# KiCad board cpu-blitter-inputs.kicad_pcb (continued)
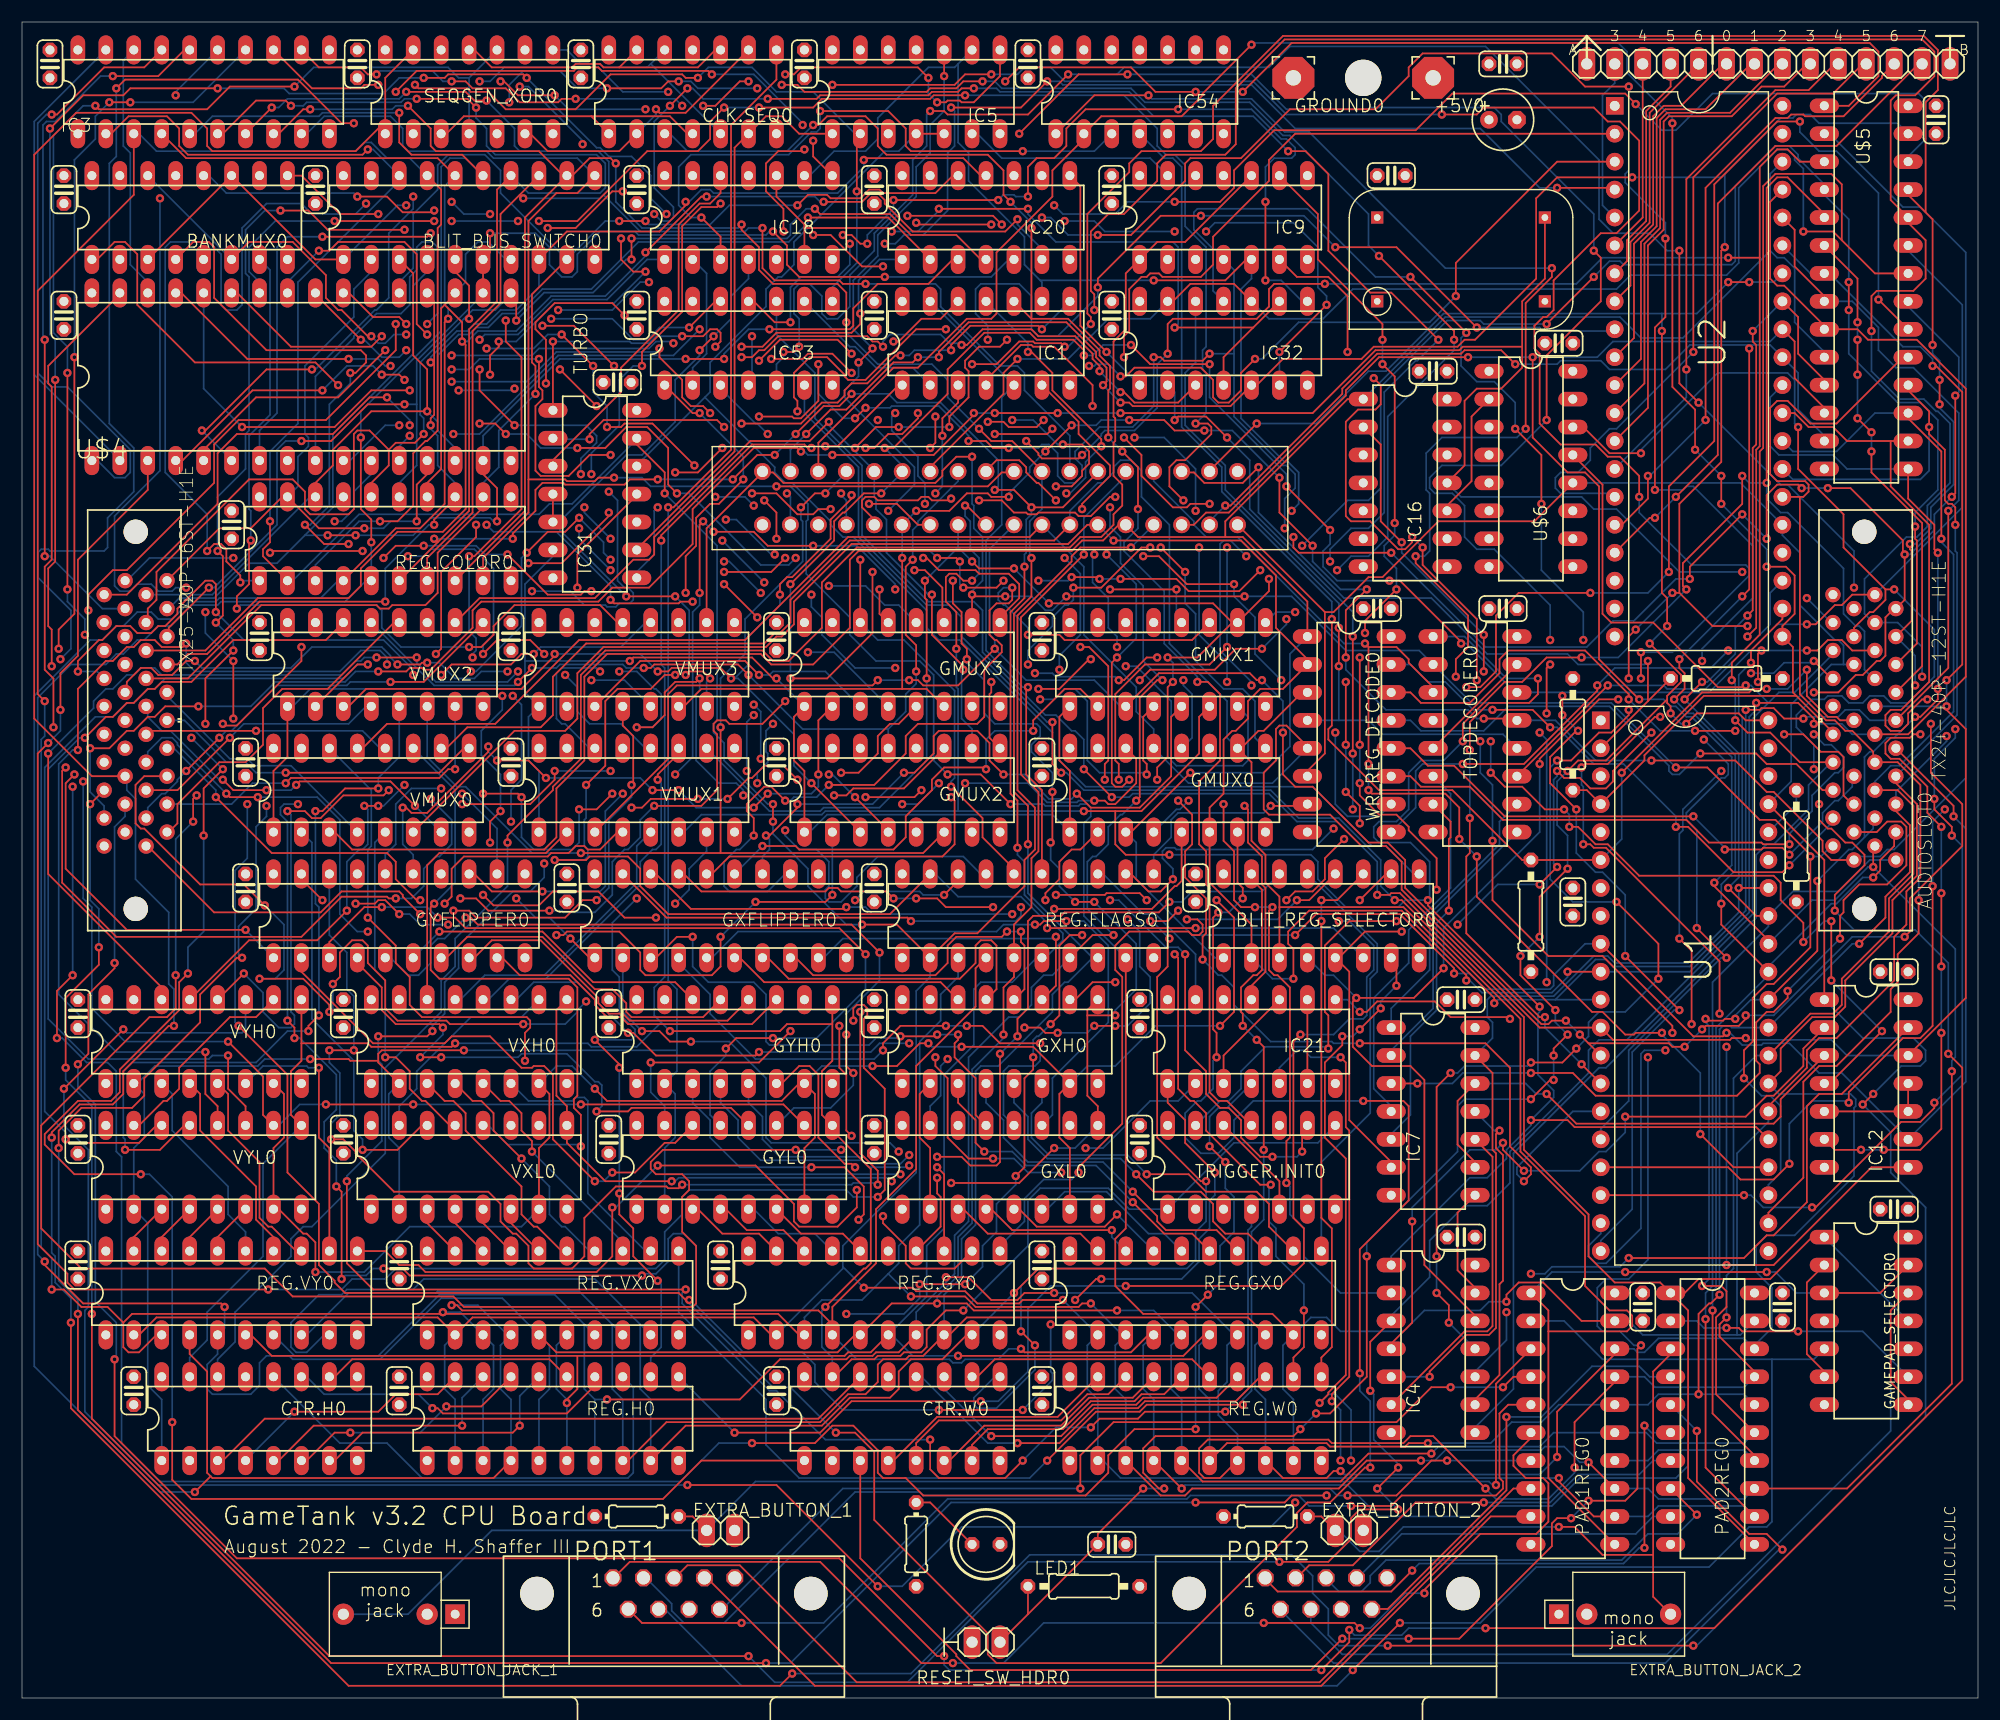
[diagram p0: board, top side]
## Routing (per net, layer and track width the routed paths; a pad name or vN(x,y) marks a point on that pad's centre or on a via; arc(x,y) is an arc through that point) (continued)
N$182: length 69.5
  Top w0.152: v1(70.48,83.5) 69.22,84.77 67.47,84.77 66.36,83.66 66.04,83.66 v1(64.13,81.76) ; v1(50.64,80.8) 52.23,80.8 v1(53.66,82.23) ; v1(73.82,82.07) 74.93,82.07 75.56,82.71 80.17,82.71 GMUX2.11 ; v1(55.4,80.96) 56.36,80.96 57.15,81.76 v1(61.44,81.76) ; v1(45.4,81.91) 45.08,82.23 v1(41.91,82.23)
  In1.Cu w0.152: v1(70.48,83.5) 71.91,82.07 v1(73.82,82.07) ; v1(55.4,80.96) 54.93,80.96 v1(53.66,82.23) ; GYFLIPPER0.17 36.19,80.64 40.32,80.64 v1(41.91,82.23)
  Bottom w0.152: v1(50.64,80.8) 50.64,77.79 50.01,77.15 46.51,77.15 45.4,78.26 v1(45.4,81.91) ; v1(64.13,81.76) v1(61.44,81.76)
N$183: length 53.9
  Top w0.152: v1(48.42,84.3) 48.42,83.5 46.2,81.28 v1(40,81.28)
  In1.Cu w0.152: v1(40,81.28) 38.58,82.71 v1(38.1,82.71)
  In2.Cu w0.152: GMUX2.14 74.77,87.79 68.58,87.79 65.88,85.09 57.94,85.09 57.15,84.3 v1(53.5,84.3)
  Bottom w0.152: v1(53.5,84.3) v1(48.42,84.3) ; v1(38.1,82.71) 35.4,82.71 33.97,81.28 33.97,77.63 33.02,76.68 GYFLIPPER0.16
N$184: length 58.4
  Top w0.152: v1(47.62,83.66) 46.04,85.25 v1(43.18,85.25) ; v1(67.79,82.23) v1(66.52,80.96) ; v1(42.39,86.52) 42.39,86.04 36.83,80.49 35.4,80.49 34.92,80.96 v1(34.61,80.96) ; GMUX3.2 72.39,88.9 v1(72.39,83.98) ; v1(59.69,82.55) v1(57.31,82.55)
  Bottom w0.152: GYFLIPPER0.15 35.56,76.68 34.61,77.63 v1(34.61,80.96) ; v1(66.52,80.96) 61.28,80.96 v1(59.69,82.55) ; v1(43.18,85.25) 42.39,86.04 v1(42.39,86.52) ; v1(47.62,83.66) 56.2,83.66 v1(57.31,82.55) ; v1(67.79,82.23) 71.75,82.23 72.39,82.87 v1(72.39,83.98)
N$185: length 66.8
  Top w0.152: GMUX3.5 79.69,88.58 78.9,88.58 77.79,87.47 77.79,85.88 76.04,84.14 v1(74.45,84.14) ; v1(47.94,71.6) 42.39,71.6 41.27,72.71 v1(39.85,72.71) ; v1(57.47,81.12) 61.75,81.12 63.18,82.55 63.18,87.63 62.86,87.95 62.86,88.58 63.18,88.9 63.98,88.9 64.29,88.58 67.31,88.58 v1(69.37,90.65)
  In1.Cu w0.152: GYFLIPPER0.14 38.1,74.45 v1(39.85,72.71) ; v1(74.45,84.14) 72.71,85.88 72.71,86.36 69.37,89.69 v1(69.37,90.65)
  Bottom w0.152: v1(57.47,81.12) 56.2,79.85 56.2,78.26 55.09,77.15 54.77,77.15 53.66,76.04 53.66,73.02 52.07,71.44 49.21,71.44 49.05,71.6 v1(47.94,71.6)
N$186: length 81.2
  Top w0.152: v1(61.91,107) 61.59,106.68 v1(61.59,100.49) ; v1(47.31,73.34) 42.7,73.34 41.12,74.93 GYFLIPPER0.13 ; v1(81.12,102.55) 82.07,102.55 83.66,100.96 83.66,97.95 GMUX3.11 ; v1(71.91,104.77) 67.79,104.77 66.52,106.04 v1(62.86,106.04)
  In1.Cu w0.152: v1(81.12,102.55) v1(79.38,100.81)
  In2.Cu w0.152: v1(54.61,82.23) 55.56,82.23 57.47,84.14 59.21,84.14 v1(59.37,83.98)
  Bottom w0.152: v1(71.91,104.77) 75.88,104.77 79.38,101.28 v1(79.38,100.81) ; v1(59.37,83.98) 60.96,85.57 60.96,98.74 61.59,99.38 v1(61.59,100.49) ; v1(54.61,82.23) 53.02,80.64 53.02,73.82 52.55,73.34 v1(47.31,73.34) ; v1(62.86,106.04) v1(61.91,107)
N$222: length 55.2
  Top w0.152: v1(33.97,146.05) 35.88,147.95 50.16,147.95 50.48,148.27 52.39,148.27 52.7,147.95 62.39,147.95 v1(62.71,147.64) ; v1(71.91,141.6) 71.91,140.18 IC18.8
  In1.Cu w0.152: v1(71.91,141.6) 70.96,142.56 v1(70.96,143.03) ; BLIT_BUS_SWITCH0.19 31.75,139.54 30.8,140.49 30.8,142.88 v1(33.97,146.05)
  Bottom w0.152: v1(70.96,143.03) 70.96,143.19 66.52,147.64 v1(62.71,147.64)
OFFSCR_X: length 78
  Top w0.152: v1(83.03,58.26) 83.03,57.47 84.14,56.36 84.14,50.96 86.04,49.05 v1(88.26,49.05) ; v1(66.99,58.74) 66.67,58.42 57.63,58.42 55.56,60.48 v1(55.09,60.48)
  In1.Cu w0.152: v1(83.03,58.26) 82.71,58.26 81.44,59.53 v1(80.65,59.53)
  In2.Cu w0.152: v1(96.68,50.01) v1(94.46,47.78)
  Bottom w0.152: v1(55.09,60.48) 50.48,65.09 46.51,65.09 44.93,63.5 VXH0.11 ; v1(96.68,50.01) 98.27,50.01 102.55,54.29 105.09,54.29 IC21.2 ; v1(94.46,47.78) 91.44,47.78 90.17,49.05 v1(88.26,49.05) ; v1(80.65,59.53) 77.95,59.53 77.15,58.74 v1(66.99,58.74)
OFFSCR_Y: length 223.5
  Top w0.152: v1(3.81,55.4) v1(9.21,60.8) ; v1(119.86,58.26) 120.33,57.78 120.33,51.91 120.65,51.59 120.65,29.21 119.06,27.62 v1(119.06,26.99) ; v1(60.48,19.37) 68.58,19.37 v1(77.79,10.16)
  In2.Cu w0.152: v1(119.86,21.59) 116.05,17.78 v1(115.73,17.78)
  Bottom w0.152: v1(77.79,10.16) 80.01,10.16 85.41,15.56 113.51,15.56 v1(115.73,17.78) ; v1(119.86,21.59) 119.86,26.19 v1(119.06,26.99) ; IC21.5 114.3,57.31 115.89,58.9 116.52,58.9 117.16,58.26 v1(119.86,58.26) ; v1(60.48,19.37) 12.38,19.37 5.72,26.03 5.72,35.24 6.03,35.56 6.03,49.85 3.81,52.07 v1(3.81,55.4) ; VYH0.11 20.32,60.8 20,60.48 9.52,60.48 v1(9.21,60.8)
P0: length 244.6
  Top w0.152: v1(16.67,88.58) 16.67,92.71 v1(19.21,95.25) ; v1(18.26,84.45) 16.51,82.71 v1(16.51,78.42) ; v1(17.78,104.3) 18.26,103.82 18.26,98.42 v1(17.62,97.79) ; v1(34.77,133.51) 27.78,133.51 26.03,135.25 v1(23.5,135.25) ; v1(13.65,25.08) 13.65,19.84 15.4,18.1 58.26,18.1 61.75,21.59 CTR.W0.1 ; v1(10.8,47.62) 4.76,47.62 2.06,50.32 2.06,51.28 5.08,54.29 8.1,54.29 8.89,55.09 8.89,57.15 14.29,62.55 14.29,65.09 v1(15.08,65.88)
  In1.Cu w0.152: v1(16.67,88.58) v1(15.4,87.31) ; CLK.SEQ0.11 56.83,145.73 53.02,145.73 44.45,137.16 38.42,137.16 v1(34.77,133.51)
  Bottom w0.152: v1(23.5,135.25) 22.07,135.25 20.32,133.51 20.32,129.54 20.64,129.22 20.64,115.25 20.32,114.93 20.32,111.76 17.78,109.22 v1(17.78,104.3) ; v1(16.51,78.42) 16.51,69.69 15.08,68.26 v1(15.08,65.88) ; v1(17.62,97.79) 19.21,96.2 v1(19.21,95.25) ; v1(15.4,87.31) v1(18.26,84.45) ; v1(10.8,47.62) 11.59,47.62 13.65,45.56 v1(13.65,25.08)
P1: length 251.5
  Top w0.152: v1(58.74,108.27) 59.21,108.27 64.45,113.51 64.45,143.03 68.58,147.16 CLK.SEQ0.8 ; 32.38,57.94 32.38,57.78 VXH0.2 ; 32.38,57.94 32.38,58.58 32.7,58.9 v1(40.16,58.9) ; 32.38,57.94 29.84,57.94 29.69,58.1 v1(26.19,58.1) ; GXH0.2 81.6,54.93 81.6,50.96 82.55,50.01 GXL0.2
  In2.Cu w0.152: v1(79.85,47.62) 82.55,44.93 GXL0.2
  Bottom w0.152: 59.53,58.9 v1(40.16,58.9) ; 59.53,58.9 59.53,56.99 GYH0.2 59.37,54.93 59.37,50.96 58.42,50.01 58.42,47.62 ; 59.53,58.9 59.53,64.45 58.74,65.25 v1(58.74,108.27) ; 58.42,47.62 v1(79.85,47.62) ; 58.42,47.62 GYL0.2 ; VXH0.2 33.34,54.93 33.34,50.96 34.29,50.01 VXL0.2 ; CTR.H0.1 12.7,27.15 11.43,28.42 11.43,43.18 VYL0.2 10.16,50.01 11.11,50.96 11.11,54.93 10.32,55.72 ; v1(26.19,58.1) 22.07,58.1 21.43,57.47 12.06,57.47 10.32,55.72 ; 10.32,55.72 VYH0.2
P2: length 51
  Top w0.152: IC5.1 70.64,142.24 69.06,143.83 67.63,143.83 CLK.SEQ0.6 64.77,140.97 64.77,113.35 55.88,104.46 IC31.9
P3: length 139.9
  Top w0.152: v1(101.44,108.11) 101.44,111.92 v1(100.01,113.35) ; 91.76,125.41 95.09,125.41 97.95,122.55 97.95,122.08 98.9,121.13 98.9,119.06 98.74,118.9 v1(98.74,114.62) ; 91.76,125.41 IC1.10 ; 91.76,125.41 v1(91.76,133.67) ; v1(71.91,143.03) 72.39,143.03 73.18,143.83 76.68,143.83 77.79,142.72 77.79,141.13 78.58,140.33 87.79,140.33 89.22,138.91 89.22,136.68 v1(89.85,136.05) ; TRIGGER.INIT0.11 109.54,54.29 108.74,54.29 107.95,55.09 107.95,73.66 107.63,73.98 107.63,76.99 107,77.63 107,83.34 108.9,85.25 108.9,91.28 107.79,92.39 v1(106.84,92.39)
  Bottom w0.152: v1(91.76,133.67) 91.76,134.14 v1(89.85,136.05) ; v1(101.44,108.11) 101.44,106.36 100.17,105.09 100.17,104.3 103.82,100.65 103.82,95.88 106.84,92.87 v1(106.84,92.39) ; v1(98.74,114.62) v1(100.01,113.35) ; CLK.SEQ0.3 58.9,142.24 60.48,140.65 69.53,140.65 v1(71.91,143.03)
R/~{W}: length 102
  Top w0.152: IC7.13 133.67,56.83 133.67,49.85 133.98,49.53 133.98,33.66 133.35,33.02 131.29,33.02 127.95,29.69 v1(127.95,29.21) ; v1(156.05,73.66) U1.34 ; v1(157.16,94.14) 157.16,95.25 160.02,98.11 U2.22
  Bottom w0.152: v1(127.95,29.21) IC4.5 ; v1(157.16,94.14) 156.05,93.03 156.05,89.53 156.37,89.22 156.37,73.98 v1(156.05,73.66) 156.05,71.44 151.45,66.83 144.78,66.83 144.15,67.47 142.88,67.47 139.22,63.82 133.51,63.82 133.19,63.5 133.19,61.91 133.67,61.44 133.67,60.01 IC7.13
RAM_PG_0: length 178.2
  Top w0.152: v1(146.69,144.94) 145.73,145.89 130.02,145.89 126.68,142.56 113.82,142.56 110.17,138.91 110.17,137.32 108.9,136.05 v1(104.78,136.05) ; v1(32.38,146.69) 31.11,146.69 30.8,146.37 26.35,146.37 IC3.13 ; v1(81.28,134.14) 81.44,133.98 v1(88.11,133.98) ; v1(48.42,145.73) 45.08,145.73 43.81,147 v1(43.5,147) ; v1(71.91,133.03) 73.5,133.03 76.36,130.18 v1(78.26,130.18)
  In1.Cu w0.152: v1(88.11,133.98) 88.74,133.35 90.33,133.35 92.23,135.25 93.34,135.25 v1(93.82,135.73) ; v1(81.28,134.14) 81.28,133.35 78.26,130.33 v1(78.26,130.18) ; v1(32.38,146.69) 33.66,147.95 42.55,147.95 v1(43.5,147)
  In2.Cu w0.152: v1(71.91,133.03) 67.47,137.48 65.72,137.48 61.91,141.29 60.64,141.29 58.1,143.83 57.31,143.83 v1(56.67,144.46)
  Bottom w0.152: U$5.26 171.45,140.18 173.04,141.76 173.04,145.26 172.4,145.89 153.67,145.89 150.34,142.56 149.07,142.56 v1(146.69,144.94) ; v1(93.82,135.73) 94.62,134.94 99.38,134.94 100.49,136.05 v1(104.78,136.05) ; v1(56.67,144.46) 49.69,144.46 v1(48.42,145.73)
RAM_PG_1: length 159.7
  Top w0.152: v1(89.38,147) 90.65,148.27 100.81,148.27 103.03,146.05 v1(106.68,146.05) ; U$5.1 166.05,144.78 168.75,147.48 168.75,149.7 167.96,150.5 115.41,150.5 v1(110.97,146.05) ; v1(50.32,145.41) 49.05,145.41 48.74,145.1 45.24,145.1 43.97,146.37 40.96,146.37 40.32,147 v1(39.05,147) ; v1(32.23,147.64) 31.43,147.64 30.8,148.27 26.99,148.27 IC3.12
  In2.Cu w0.152: v1(60.01,144.78) 61.12,143.67 86.04,143.67 v1(89.38,147)
  Bottom w0.152: v1(32.23,147.64) 32.54,147.95 37.31,147.95 38.26,147 v1(39.05,147) ; v1(60.01,144.78) 59.37,145.41 v1(50.32,145.41) ; v1(106.68,146.05) v1(110.97,146.05)
READY: length 66.1
  Top w0.152: 147.8,90.65 v1(147.8,94.3) ; 147.8,90.65 U1.2 ; 147.8,90.65 R1.1 ; U$3.P$34 105.41,111.44 106.52,111.44 107.47,110.49 110.97,110.49 v1(112.4,111.92)
  Bottom w0.152: v1(112.4,111.92) 112.4,107.79 120.17,100.01 128.11,100.01 133.19,94.93 140.49,94.93 141.45,93.98 147.48,93.98 v1(147.8,94.3)
ROWCOMPLETE: length 260.3
  Top w0.152: GYL0.10 69.22,53.97 v1(50.8,53.97) ; v1(35.56,53.97) v1(27.62,53.97) ; v1(8.57,146.37) 9.37,147.16 25.08,147.16 29.05,143.19 v1(30.16,143.19) ; v1(75.88,137) 75.88,141.92 IC5.2 ; v1(35.72,146.69) 36.04,146.37 40.48,146.37 40.8,146.05 42.39,146.05 43.97,144.46 50.32,144.46 53.5,147.64 60.01,147.64 60.33,147.32 v1(61.44,147.32) ; VYL0.10 21.91,53.02 21.91,56.52 v1(18.73,59.69)
  In1.Cu w0.152: v1(30.16,143.19) 33.66,146.69 v1(35.72,146.69)
  In2.Cu w0.152: v1(3.49,94.46) 3.49,91.28 4.44,90.33 4.44,85.25 5.56,84.14 v1(5.56,83.34)
  Bottom w0.152: v1(3.49,94.46) 4.44,95.41 4.44,98.9 1.43,101.92 1.43,104.14 1.75,104.46 2.38,104.46 2.54,104.3 7.46,104.3 7.78,104.62 7.78,107.31 10.16,109.7 10.16,113.66 7.94,115.89 7.94,139.54 8.57,140.18 v1(8.57,146.37) ; VYL0.10 23.34,52.07 25.24,53.97 v1(27.62,53.97) ; IC5.2 75.72,142.24 71.91,146.05 68.58,146.05 66.36,148.27 62.39,148.27 v1(61.44,147.32) ; v1(18.73,59.69) 9.37,59.69 6.35,62.71 6.35,71.91 5.56,72.71 v1(5.56,83.34) ; v1(50.8,53.97) v1(35.56,53.97) ; v1(75.88,137) 75.88,130.49 73.66,128.27 IC53.8
RUNNING: length 297.2
  Top w0.152: VXL0.7 46.99,50.01 47.94,50.96 47.94,54.93 VXH0.7 ; v1(26.67,38.73) 26.67,41.43 25.88,42.23 25.56,42.23 23.34,44.45 VYL0.7 22.86,50.01 23.81,50.96 23.81,54.93 VYH0.7 ; v1(85.41,59.21) 91.92,59.21 GXH0.7 94.3,54.93 94.3,50.96 95.25,50.01 GXL0.7 ; v1(102.87,128.91) 109.38,128.91 111.28,130.81 IC9.5 ; v1(108.9,61.12) 110.17,62.39 110.17,70.96 v1(108.59,72.55) ; v1(52.07,55.4) 53.18,54.29 69.06,54.29 70.64,55.88 GYH0.7 72.07,54.93 72.07,50.96 71.12,50.01 GYL0.7 ; v1(77.31,57.47) 79.53,57.47 81.6,59.53 v1(82.39,59.53)
  In1.Cu w0.152: v1(111.76,92.07) 111.76,76.2 110.49,74.93 110.49,74.45 v1(108.59,72.55)
  In2.Cu w0.152: v1(111.28,103.82) v1(115.41,107.95)
  Bottom w0.152: IC1.9 92.71,128.75 92.55,128.91 ; VXH0.7 48.58,57.47 50.01,57.47 v1(52.07,55.4) ; v1(85.41,59.21) 82.71,59.21 v1(82.39,59.53) ; 92.55,128.91 91.12,130.33 91.12,132.87 86.04,137.95 86.04,140.49 85.09,141.45 85.09,148.59 ; 92.55,128.91 v1(102.87,128.91) ; GYH0.7 72.71,57.47 v1(77.31,57.47) ; v1(115.41,107.95) 116.05,108.58 116.05,111.44 115.09,112.39 114.78,112.39 110.81,116.36 110.81,128.11 111.76,129.06 IC9.5 ; v1(108.9,61.12) 103.03,61.12 99.38,57.47 96.84,57.47 GXH0.7 ; v1(111.28,103.82) 109.85,105.25 109.22,105.25 108.9,104.93 108.9,95.25 111.76,92.39 v1(111.76,92.07) ; 85.09,148.59 84.77,148.27 82.39,148.27 77.79,143.67 77.79,141.76 76.68,140.65 73.82,140.65 71.6,138.43 IC18.9 ; 85.09,148.59 IC5.9 ; v1(26.67,38.73) 31.11,38.73 35.24,42.86 45.4,42.86 VXL0.7
SEQGEN_HIGH: length 25.3
  Top w0.152: v1(57.63,144.46) 57.94,144.14 60.33,144.14 CLK.SEQ0.9 ; SEQGEN_XOR0.6 46.2,142.24 47.78,140.65 54.29,140.65 CLK.SEQ0.2
  Bottom w0.152: CLK.SEQ0.2 57.63,143.99 v1(57.63,144.46)
SEQGEN_LOW: length 26.4
  Top w0.152: 51.75,143.83 58.9,143.83 60.48,142.24 CLK.SEQ0.4 ; 51.75,143.83 CLK.SEQ0.1 ; 51.75,143.83 40.16,143.83 38.58,142.24 SEQGEN_XOR0.3
SPI_CLK: length 93
  Top w0.152: U2.2 115.73,142.24 113.35,139.86 113.35,137.95 108.27,132.87 108.27,130.33 107.16,129.22 103.66,129.22 103.35,129.54 102.55,129.54 102.23,129.22 101.76,129.22 100.65,128.11 100.65,124.3 100.17,123.82 v1(100.17,121.92) ; v1(84.45,109.06) 84.3,108.9 82.71,108.9 82.39,109.22 81.76,109.22 81.44,108.9 77.79,108.9 77.47,109.22 76.68,109.22 76.36,108.9 76.36,108.27 77.47,107.16 U$3.P$5 ; v1(93.66,115.41) 93.19,114.93 v1(88.42,114.93)
  In1.Cu w0.152: v1(93.66,115.41) 97.63,119.38 97.63,119.7 97.95,120.01 98.27,120.01 v1(100.17,121.92)
  In2.Cu w0.152: v1(88.42,114.93) 88.42,113.98 86.52,112.08 86.52,111.12 v1(84.45,109.06)
SPI_MISO: length 114.1
  Top w0.152: v1(83.98,124.46) 81.28,124.46 76.68,119.86 75.09,119.86 74.77,120.17 74.77,120.33 73.18,121.92 71.6,121.92 70.17,120.49 70.17,118.27 70.48,117.95 v1(70.48,117) ; v1(97.79,128.27) 97.79,129.06 103.5,134.78 v1(107.16,134.78) ; v1(119.38,131.92) 124.94,131.92 v1(132.24,124.62)
  In1.Cu w0.152: v1(70.48,117) 72.39,115.09 72.39,113.35 73.5,112.24 73.5,111.12 72.39,110.01 U$3.P$3
  In2.Cu w0.152: v1(83.98,124.46) 86.84,124.46 v1(87.79,123.51)
  Bottom w0.152: U2.9 144.62,124.3 138.27,124.3 137.95,124.62 v1(132.24,124.62) ; v1(87.79,123.51) 87.79,124.78 86.68,125.89 86.68,128.11 87.15,128.59 90.65,128.59 91.76,127.48 91.76,124.46 92.39,123.82 94.14,123.82 97.79,127.48 v1(97.79,128.27) ; v1(119.38,131.92) 116.52,134.78 v1(107.16,134.78)
SPI_MOSI: length 97.3
  Top w0.152: v1(112.08,121.76) 110.81,120.49 110.81,118.9 109.7,117.79 108.74,117.79 108.27,118.27 108.27,119.86 107.16,120.97 101.12,120.97 100.33,120.17 v1(99.85,120.17) ; v1(92.87,116.2) 92.23,115.57 89.69,115.57 89.22,116.05 v1(87.79,116.05) ; U2.3 139.54,139.7 130.33,130.49 v1(130.33,127.48)
  In1.Cu w0.152: v1(77.79,116.2) 77.79,113.82 76.36,112.39 76.36,111.44 v1(74.45,109.54) ; v1(97,121.13) 97,119.86 95.57,118.43 94.77,118.43 92.87,116.52 v1(92.87,116.2)
  In2.Cu w0.152: v1(87.79,116.05) 86.36,116.05 85.25,117.16 82.71,117.16 81.76,116.2 v1(77.79,116.2)
  Bottom w0.152: v1(112.08,121.76) 112.71,121.76 116.05,125.09 127.95,125.09 v1(130.33,127.48) ; v1(74.45,109.54) 74.45,109.38 74.93,108.9 U$3.P$4 ; v1(99.85,120.17) 98.74,121.28 97.63,121.28 97.47,121.13 v1(97,121.13)
TRIGGER-FLAG: length 9.7
  Top w0.152: TRIGGER.INIT0.5 114.3,46.99 TRIGGER.INIT0.12
TRIGGER-SELECT: length 129.6
  Top w0.152: IC5.4 IC5.5
  Bottom w0.152: IC31.12 55.88,112.08 62.07,118.27 ; IC5.4 79.69,140.65 78.42,140.65 70.17,132.4 70.17,130.33 69.06,129.22 68.74,129.22 67.63,128.11 67.63,126.52 62.55,121.44 62.55,118.75 62.07,118.27 ; BLIT_REG_SELECTOR0.9 126.52,74.93 123.98,77.47 122.71,77.47 117.32,82.87 96.68,82.87 93.66,85.88 93.66,87.79 85.25,96.2 83.34,96.2 82.23,97.31 82.23,98.9 75.56,105.57 74.61,105.57 73.5,106.68 73.5,107 70.01,110.49 69.37,110.49 68.42,111.44 68.42,111.92 62.07,118.27
V/_G: length 134.6
  Top w0.152: v1(28.73,119.38) 26.67,121.44 15.72,121.44 10.48,126.68 10.48,131.29 9.37,132.4 8.41,132.4 6.83,130.81 BANKMUX0.1 ; v1(61.59,92.71) 61.28,92.39 59.37,92.39 58.42,91.44 58.42,89.38 57.31,88.27 v1(55.88,88.27) ; v1(76.68,81.91) 81.12,81.91 v1(81.76,82.55)
  In1.Cu w0.152: v1(76.68,81.91) 75.41,80.64 67.94,80.64 66.52,82.07 v1(65.56,82.07) ; v1(81.76,82.55) 82.87,82.55 85.41,80.01 90.17,80.01 REG.FLAGS0.14
  In2.Cu w0.152: v1(28.73,119.38) 35.88,112.24 35.88,111.44 40.64,106.68 40.64,106.36 43.97,103.03 45.24,103.03 49.53,98.74 49.85,98.74 54.29,94.3 v1(54.29,93.34)
  Bottom w0.152: v1(61.59,92.71) 61.59,91.6 61.28,91.28 61.28,85.25 63.34,83.18 64.93,83.18 65.56,82.55 v1(65.56,82.07) ; v1(54.29,93.34) 55.88,93.34 57.47,91.76 57.63,91.76 58.1,91.28 58.1,89.06 57.31,88.27 v1(55.88,88.27)
VA0: length 22.8
  Bottom w0.152: VMUX0.4 24.45,84.77 21.11,84.77 20.48,85.41 18.89,85.41 13.33,90.96 13.33,91.44 J2.32
VA1: length 32.8
  Top w0.152: v1(18.26,83.5) 19.21,82.55 v1(22.22,82.55) ; v1(35.72,81.12) 33.5,83.34 25.24,83.34 v1(24.92,83.03)
  Bottom w0.152: v1(22.22,82.55) 24.45,82.55 v1(24.92,83.03) ; v1(18.26,83.5) 17.94,83.5 13.49,87.95 12.7,87.95 11.43,89.22 11.43,90.17 J2.31 ; v1(35.72,81.12) VMUX0.7
VA2: length 30.4
  Top w0.152: VMUX0.9 40.16,86.36 37.94,84.14 v1(23.97,84.14)
  Bottom w0.152: v1(23.97,84.14) 21.27,84.14 20.32,85.09 18.57,85.09 14.76,88.9 J2.30
VA3: length 22.5
  Top w0.152: J2.29 11.43,87.63 11.75,87.95 v1(21.27,87.95)
  Bottom w0.152: v1(21.27,87.95) 30.96,87.95 32.54,86.36 VMUX0.12
VA4: length 53.3
  Top w0.152: v1(36.19,72.55) 35.88,72.55 33.97,74.45 33.97,76.04 33.18,76.83 22.7,76.83 v1(17.62,81.91) ; VMUX1.4 54.13,78.74 52.55,77.15 51.44,77.15 51.12,77.47 50.32,77.47 49.69,76.83 48.1,76.83 47.78,76.52 40.16,76.52 39.05,75.41 39.05,72.87 v1(38.42,72.23)
  In1.Cu w0.152: v1(38.42,72.23) 37.78,72.87 36.51,72.87 v1(36.19,72.55)
  Bottom w0.152: v1(17.62,81.91) 17.62,82.55 13.81,86.36 J2.28
VA5: length 73.8
  Top w0.152: v1(41.91,73.02) 42.86,72.07 46.99,72.07 48.26,73.34 52.39,73.34 54.77,70.96 v1(57.63,70.96) ; v1(18.57,82.23) 18.89,81.91 v1(21.43,81.91)
  In1.Cu w0.152: v1(59.37,72.23) 58.1,70.96 v1(57.63,70.96)
  In2.Cu w0.152: v1(41.91,73.02) 41.59,73.34 35.56,73.34 34.13,71.91 33.66,71.91 v1(31.43,69.69)
  Bottom w0.152: VMUX1.7 62.23,76.99 60.64,75.41 60.64,73.5 v1(59.37,72.23) ; J2.27 11.43,85.09 11.43,86.04 12.7,87.31 13.65,87.31 14.13,86.84 14.13,86.68 v1(18.57,82.23) ; v1(21.43,81.91) 26.83,81.91 28.89,79.85 28.89,71.28 30.48,69.69 v1(31.43,69.69)
VA6: length 102.4
  Top w0.152: v1(21.59,65.41) 25.56,65.41 27.94,63.02 v1(27.94,62.39) ; v1(22.07,72.07) 20.16,73.98 16.19,73.98 11.11,79.06 10.8,79.06 10.32,79.53 10.32,83.03 11.11,83.82 J2.26 ; v1(45.56,61.28) 38.89,61.28 38.58,61.59 34.13,61.59 33.02,62.71 33.02,65.25 31.43,66.83 31.43,68.42 30.96,68.9 30,68.9 28.89,67.79 28.89,65.56 v1(28.26,64.93)
  In1.Cu w0.152: VMUX1.9 64.77,84.14 60.96,80.33 60.96,77.47 56.52,73.02 56.52,70.48 51.28,65.25 v1(51.28,63.34)
  Bottom w0.152: v1(45.56,61.28) 49.37,61.28 50.48,62.39 50.48,62.55 v1(51.28,63.34) ; v1(27.94,62.39) 28.26,62.71 v1(28.26,64.93) ; v1(22.07,72.07) 23.81,70.33 23.81,66.2 23.02,65.41 v1(21.59,65.41)
VA7: length 23.6
  Top w0.152: v1(18.89,87.31) 14.13,82.55 J2.25
  Bottom w0.152: VMUX2.4 31.27,90.17 29.69,88.58 20.16,88.58 v1(18.89,87.31)
VA8: length 33.2
  Top w0.152: v1(39.37,84.45) 38.73,84.45 37.94,83.66 24.45,83.66 v1(23.97,83.18)
  Bottom w0.152: v1(39.37,84.45) VMUX2.7 ; v1(23.97,83.18) 20.95,83.18 19.05,81.28 J2.24
VA9: length 38.6
  Top w0.152: v1(33.5,92.39) 36.51,92.39 VMUX2.9 ; v1(14.92,84.3) v1(17.94,87.31)
  Bottom w0.152: v1(14.92,84.3) 14.13,83.5 14.13,83.34 13.02,82.23 12.7,82.23 11.43,80.96 11.43,80.01 J2.23 ; v1(33.5,92.39) 29.84,92.39 29.53,92.07 23.18,92.07 19.05,87.95 18.57,87.95 v1(17.94,87.31)
VA10: length 32
  Top w0.152: J2.22 13.33,78.74 14.13,79.53 14.13,81.28 17.94,85.09 20.32,85.09 21.91,86.68 21.91,90.01 23.65,91.76 27.78,91.76 33.81,97.79 VMUX2.12
VA11: length 65.6
  Top w0.152: v1(39.21,71.6) 40.64,71.6 41.27,70.96 49.37,70.96 50.96,72.55 v1(52.23,72.55) ; v1(36.19,71.28) 34.61,72.87 34.61,73.02 34.29,73.34 29.05,73.34 27.15,71.44 17.46,71.44 11.43,77.47 J2.21 ; v1(55.4,83.03) 55.56,83.18 55.56,87.47 54.61,88.42 VMUX3.4
  In1.Cu w0.152: v1(36.19,71.28) 36.51,71.6 v1(39.21,71.6)
  Bottom w0.152: v1(55.4,83.03) 55.4,81.91 53.34,79.85 53.34,73.66 v1(52.23,72.55)
VA12: length 63.4
  Top w0.152: v1(60.33,93.03) 60.64,93.34 61.91,93.34 v1(62.55,92.71) ; v1(51.75,100.65) 51.12,100.65 50.8,100.33 47.78,100.33 v1(44.13,103.98) ; v1(36.51,104.77) 33.97,104.77 v1(32.86,103.66) ; v1(22.54,104.14) 22.7,104.3 v1(30.96,104.3)
  In1.Cu w0.152: v1(30.96,104.3) 32.23,104.3 v1(32.86,103.66) ; v1(51.75,100.65) 53.18,99.22 54.45,99.22 55.56,98.11 55.56,97.79 v1(60.33,93.03)
  In2.Cu w0.152: v1(22.54,104.14) 22.07,103.66 v1(19.21,103.66)
  Bottom w0.152: v1(62.55,92.71) 62.23,92.39 VMUX3.7 ; J2.20 9.52,101.6 11.59,103.66 v1(19.21,103.66) ; v1(36.51,104.77) 41.27,104.77 42.07,103.98 v1(44.13,103.98)
VA13: length 78.4
  Top w0.152: v1(33.18,118.27) 31.59,118.27 28.26,114.93 19.53,114.93 17.78,113.19 17.78,108.58 9.52,100.33 J2.19 ; v1(60.96,99.69) 59.85,99.69 59.69,99.54 53.82,99.54 v1(53.5,99.85)
  In1.Cu w0.152: VMUX3.9 63.5,97.79 61.59,99.69 v1(60.96,99.69) ; v1(42.23,106.68) 42.23,107.63 37.78,112.08 37.78,112.87 36.35,114.3 36.19,114.3 35.88,114.62 35.88,115.09 v1(35.24,115.73)
  Bottom w0.152: v1(53.5,99.85) 53.5,101.12 48.58,106.04 42.86,106.04 v1(42.23,106.68) ; v1(33.18,118.27) 35.24,116.2 v1(35.24,115.73)
VG_OE: length 146.3
  Top w0.152: v1(31.75,123.82) 31.43,123.82 29.05,126.21 28.73,126.21 27.62,127.32 27.62,129.38 24.61,132.4 20.64,132.4 BANKMUX0.6 ; v1(105.09,144.46) 96.68,144.46 94.93,142.72 94.93,141.13 93.82,140.02 92.23,140.02 91.44,139.22 v1(91.44,136.52) ; v1(76.84,132.24) 76.2,132.24 75.41,133.03 v1(74.61,133.03) ; v1(79.22,136.21) v1(88.74,136.21) ; v1(113.03,136.05) v1(113.03,128.91)
  In1.Cu w0.152: v1(56.99,128.75) 70.33,128.75 v1(74.61,133.03)
  In2.Cu w0.152: v1(34.92,123.98) 36.99,126.05 48.58,126.05 v1(48.74,126.21)
  Bottom w0.152: v1(113.03,136.05) 113.03,139.22 113.82,140.02 115.41,140.02 115.73,140.33 115.73,140.97 114.94,141.76 114.46,141.76 111.76,144.46 v1(105.09,144.46) ; v1(48.74,126.21) 53.66,126.21 56.2,128.75 v1(56.99,128.75) ; v1(88.74,136.21) 89.22,136.68 90.17,136.68 90.33,136.52 v1(91.44,136.52) ; v1(113.03,128.91) 114.46,128.91 116.36,127 IC32.8 ; v1(34.92,123.98) 33.81,123.98 33.02,123.19 32.38,123.19 v1(31.75,123.82) ; v1(79.22,136.21) 79.22,135.41 76.84,133.03 v1(76.84,132.24) ; BANKMUX0.6 BANKMUX0.14
VG_WE: length 138.2
  Top w0.152: v1(47.78,133.67) 50.32,133.67 53.66,137 v1(54.61,137) ; BLIT_BUS_SWITCH0.1 26.67,130.81 BANKMUX0.11 BANKMUX0.3 ; v1(118.59,126.68) v1(114.3,122.4)
  In1.Cu w0.152: v1(94.77,134.3) 93.5,133.03 83.34,133.03 79.38,137 76.84,137 73.82,133.98 67.94,133.98 66.67,135.25 59.21,135.25 57.47,137 v1(54.61,137)
  In2.Cu w0.152: v1(47.78,133.67) 43.81,133.67 v1(42.55,134.94) ; v1(34.92,135.73) 35.08,135.89 38.89,135.89 v1(39.05,136.05) ; v1(104.78,133.35) v1(107.63,133.35)
  Bottom w0.152: BLIT_BUS_SWITCH0.1 34.13,135.73 v1(34.92,135.73) ; v1(42.55,134.94) 40.16,134.94 v1(39.05,136.05) ; v1(107.63,133.35) 108.43,134.14 115.57,134.14 117.79,131.92 117.79,128.27 118.59,127.48 v1(118.59,126.68) ; v1(94.77,134.3) 97.47,134.3 98.43,133.35 v1(104.78,133.35) ; v1(114.3,122.4) IC32.6
VID_OUT_PAGE: length 198.8
  Top w0.152: REG.FLAGS0.18 85.09,74.29 v1(83.82,73.02) ; v1(15.56,79.69) 15.56,81.76 v1(15.88,82.07) ; v1(70.33,49.85) 58.26,49.85 57.15,48.74 57.15,48.1 57.63,47.62 60.01,47.62 60.64,46.99 60.64,46.2 60.01,45.56 60.01,42.39 61.28,41.12 61.28,35.88 60.96,35.56 40.16,35.56 39.21,36.51 24.61,36.51 22.07,39.05 5.4,39.05 1.75,42.7 1.75,52.07 11.59,61.91 13.18,61.91 13.97,62.71 v1(13.97,65.72) ; v1(74.29,61.12) 74.29,57.31 74.93,56.67 74.93,51.59 v1(75.41,51.12)
  In1.Cu w0.152: J2.17 7.62,97.79 7.62,97 10.32,94.3 10.32,92.39 12.22,90.49 12.22,88.58 15.88,84.93 v1(15.88,82.07)
  In2.Cu w0.152: v1(74.45,49.85) 75.41,50.8 v1(75.41,51.12) ; v1(75.72,72.55) 75.72,69.53 77.31,67.94 77.31,66.67 74.93,64.29 74.93,61.75 v1(74.29,61.12)
  Bottom w0.152: v1(13.97,65.72) 13.97,78.1 v1(15.56,79.69) ; v1(83.82,73.02) 81.91,73.02 81.6,73.34 76.52,73.34 v1(75.72,72.55) ; v1(70.33,49.85) v1(74.45,49.85)
VIDFLAGS: length 18.6
  Top w0.152: WR_REG_DECODE0.7 116.68,81.12 v1(113.51,81.12)
  Bottom w0.152: REG.FLAGS0.11 102.87,76.68 104.46,78.26 104.46,79.85 105.09,80.49 112.87,80.49 v1(113.51,81.12)
VNMI: length 83.4
  Top w0.152: v1(33.97,124.94) 33.97,122.55 27.62,116.2 19.69,116.2 17.46,113.98 17.46,110.49 9.52,102.55 8.25,102.55 6.03,100.33 v1(6.03,98.9)
  In1.Cu w0.152: J2.10 9.37,88.9 9.37,89.53 6.35,92.55 6.35,97 6.03,97.31 v1(6.03,98.9) ; v1(41.59,123.51) 39.05,126.05 35.08,126.05 v1(33.97,124.94)
  Bottom w0.152: v1(41.59,123.51) 42.07,123.98 45.08,123.98 48.26,127.16 53.18,127.16 56.83,130.81 IC18.1
VNMI_ENABLE: length 78.2
  Top w0.152: v1(60.33,100.49) 60.33,103.82 61.28,104.77 61.28,107.31 62.55,108.58 63.34,108.58 v1(65.56,110.81) ; v1(61.59,116.84) 60.96,116.84 IC53.1
  In2.Cu w0.152: v1(69.37,78.9) 69.37,79.53 68.26,80.64 67.94,80.64 66.83,81.76 v1(66.83,83.18) ; v1(68.26,88.58) 68.26,89.85 60.96,97.16 60.96,98.74 60.33,99.38 v1(60.33,100.49)
  Bottom w0.152: v1(68.26,88.58) 67.63,87.95 67.63,86.04 67.79,85.88 67.79,85.09 66.83,84.14 v1(66.83,83.18) ; v1(65.56,110.81) 65.56,112.87 v1(61.59,116.84) ; REG.FLAGS0.17 87.15,74.93 85.57,76.52 77.79,76.52 75.88,74.61 75.88,73.82 74.45,72.39 73.34,72.39 73.03,72.71 73.03,73.5 73.34,73.82 73.34,76.04 72.23,77.15 70.64,77.15 69.37,78.42 v1(69.37,78.9)
VRAMBANK: length 64.7